# Altium PCB FPGA_NES.PcbDoc (part 1 of 2) (continued)
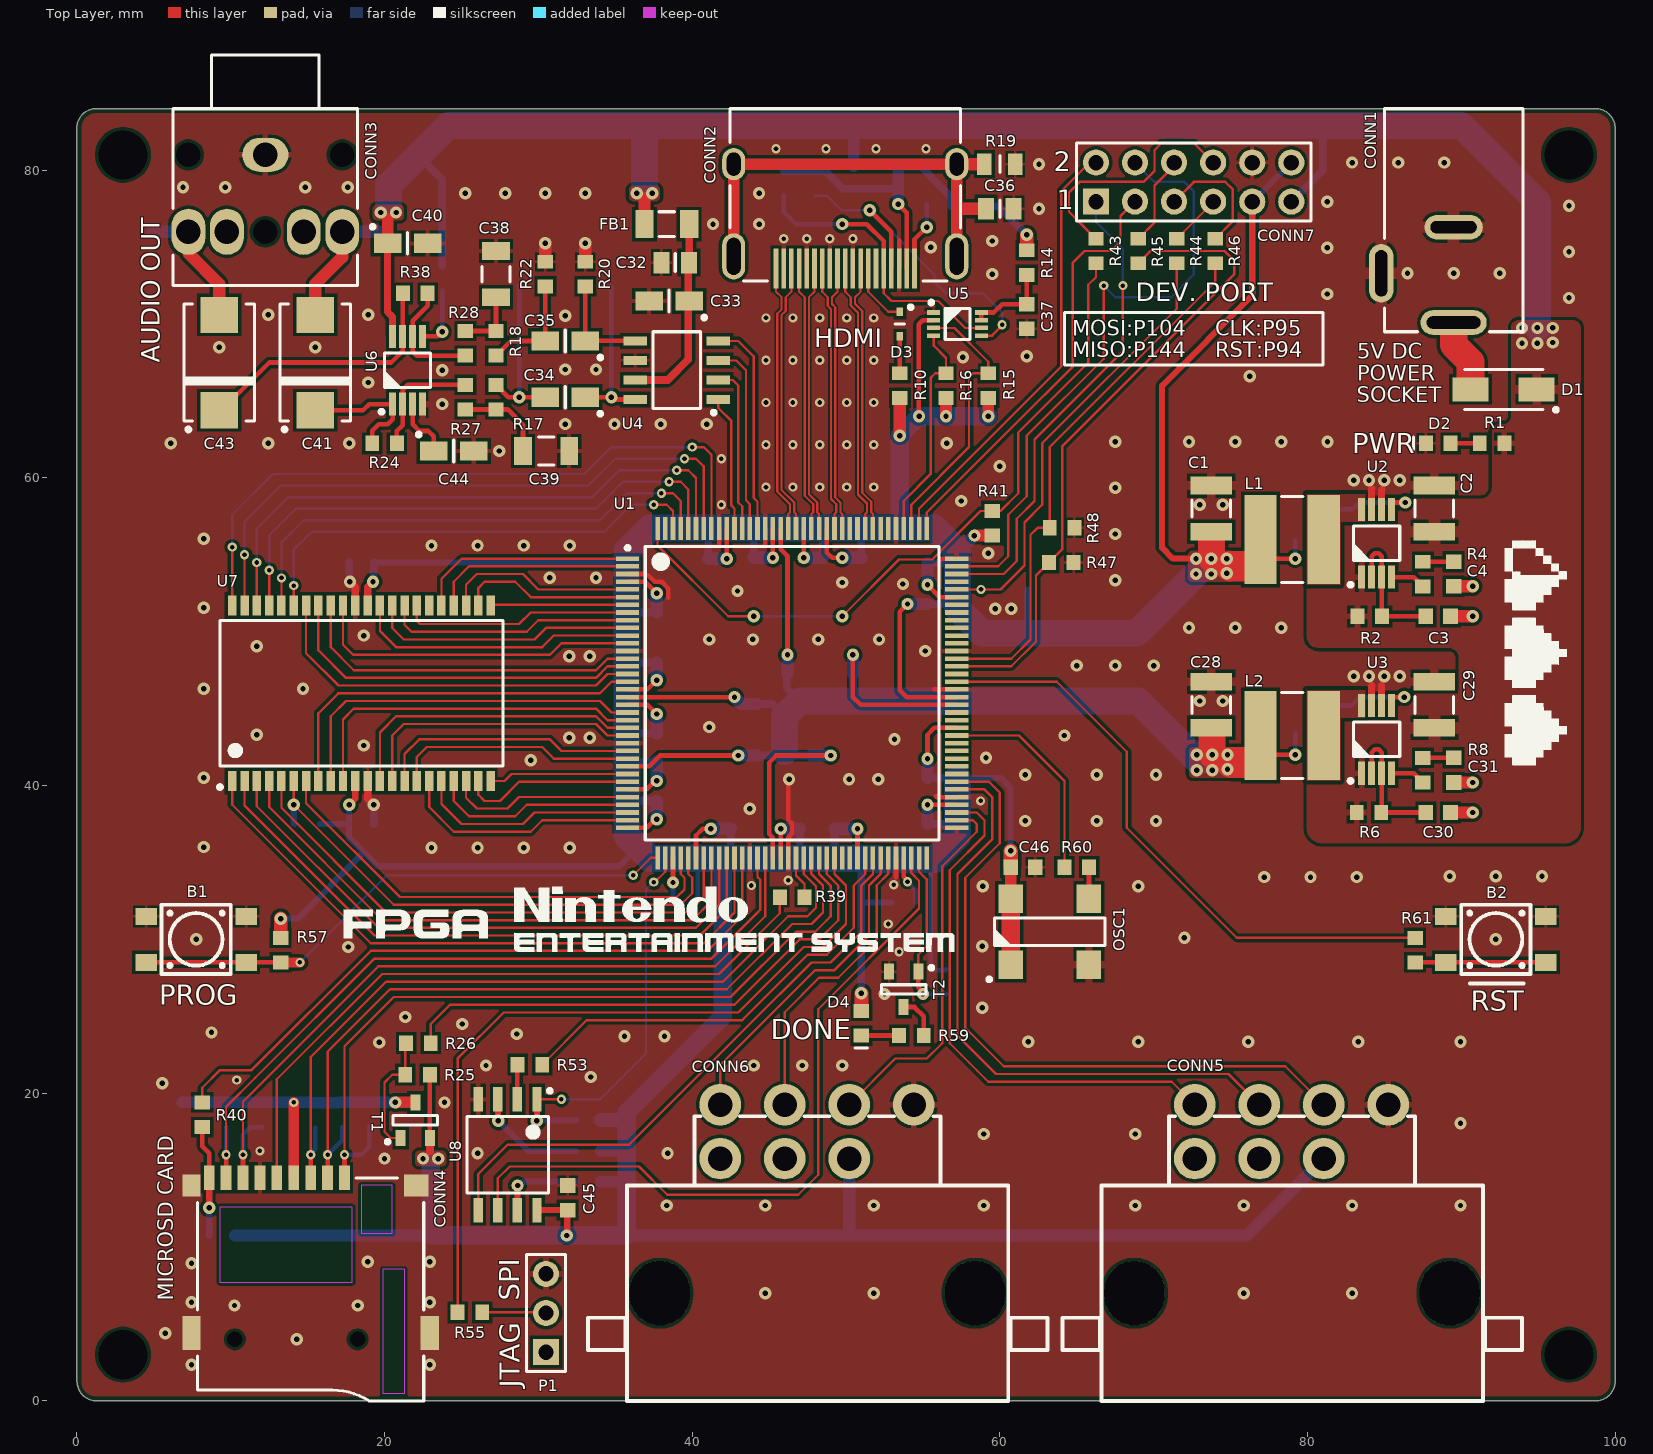
[diagram p0: Top Layer view]
## Components (designator, comment, footprint, x,y, rotation, side; value= is the part's Value field where it differs from the comment) (continued)
R16 "1k" RES_SMD0603 56.5,66 r270 top
R17 "560" RES_SMD0603 27.25,65.25 r270 top
R18 "560" RES_SMD0603 27.25,68.75 r90 top
R19 "1M" RES_SMD0805 60,80.4 r180 top
R20 "270k" RES_SMD0603 33.05,73.25 r90 top
R21 "270k" RES_SMD0603 34.75,73.25 r90 bottom
R22 "10k" RES_SMD0603 30.45,73.25 r90 top
R23 "10k" RES_SMD0603 28.75,73.25 r90 bottom
R24 "20k" RES_SMD0603 20,62.25 r180 top
R25 "10k" RES_SMD0603 22.15,21.2 r180 top
R26 "100" RES_SMD0603 22.2,23.25 r180 top
R27 "20k" RES_SMD0603 25.25,65.25 r90 top
R28 "20k" RES_SMD0603 25.25,68.75 r270 top
R29 "10k" RES_SMD0603 23.75,73 r270 bottom
R30 "10k" RES_SMD0603 17.25,18.6 r270 bottom
R31 "10k" RES_SMD0603 15.5,18.55 r270 bottom
R32 "10k" RES_SMD0603 12.05,18.6 r270 bottom
R33 "10k" RES_SMD0603 19,18.6 r270 bottom
R34 "10k" RES_SMD0603 9.7,18.6 r270 bottom
R35 "10k" RES_SMD0603 9.4,10.75 r180 bottom
R36 "10k" RES_SMD0603 4.9,76.8 r270 bottom
R37 "10k" RES_SMD0603 19.7,75.15 r90 bottom
R38 "20k" RES_SMD0603 22,72 r180 top
R39 "33" RES_SMD0603 46.5,32.75 r180 top
R40 "100" RES_SMD0603 8.15,18.6 r270 top
R41 "10k" RES_SMD0603 59.5,57.05 r90 top
R42 "10k" RES_SMD0603 61,52.75 r180 bottom
R43 "100" RES_SMD0603 66.25,74.75 r90 top
R44 "100" RES_SMD0603 71.5,74.75 r270 top
R45 "100" RES_SMD0603 69,74.75 r90 top
R46 "100" RES_SMD0603 74,74.75 r270 top
R47 "10k" RES_SMD0603 64,54.5 r0 top
R48 "10k" RES_SMD0603 64.05,56.75 r0 top
R49 "10k" RES_SMD0603 14.9,37.5 r0 bottom
R50 "10k" RES_SMD0603 33.25,18.25 r0 bottom
R51 "10k" RES_SMD0603 33.25,14.25 r0 bottom
R52 "10k" RES_SMD0603 33.25,16.25 r0 bottom
R53 "100" RES_SMD0603 29.45,21.85 r180 top
R54 "4.7k" RES_SMD0603 53.75,32.4 r0 bottom
R55 "1k" RES_SMD0603 25.55,5.75 r180 top
R56 "4.7k" RES_SMD0603 39.55,32.5 r180 bottom
R57 "4.7k" RES_SMD0603 13.25,29.3 r90 top
R58 "2.4k" RES_SMD0603 56.5,27.25 r90 bottom
R59 "470" RES_SMD0603 54.25,23.75 r180 top
R60 "33" RES_SMD0603 65,34.7 r180 top
R61 "470" RES_SMD0603 87,29.3 r90 top
T1 "SI2305DS" SOT95P240X110-3N 22,18.241 r90 top
T2 "BSS138" SOT95P240X110-3N 53.75,26.75 r270 top
U1 "XC6SLX9-3TQG144C" QFP50P2200X2200X160-144N 46.5,46 r0 top
U2 "MCP1612-ADJI/MS" SOP65P490X109-8N 84.5,55.75 r90 top
U3 "MCP1612-ADJI/MS" SOP65P490X109-8N 84.5,43 r90 top
U4 "CS4334-KSZ" SOIC127P600X175-8N 39,67 r180 top
U5 "PCA9306DCUR" SOP50P310X90-8N 57.25,70 r0 top
U6 "TS486IST" SOP65P490X109-8N 21.5,67 r90 top
U7 "CY7C1041DV33-10ZSXI" SOP80P1184X119-44N 18.5,46 r90 top
U8 "W25Q64CVSSIG" SOIC127P790X216-8N 28,16 r270 top

## Footprints (in the part's own frame and the unit in brackets; to place one, negate y for a bottom-side part, rotate by r counter-clockwise, add the part's x,y. Pads: shape width x height; smd on the part's side, far side on the other; paste and mask are expansions set on the pad)
685119134923 [mm] "W�rth Elektronik 685119134923 HDMI receptacle footprint"
  rect 0.3x2.6 smd: 1(4.5,10.4) 2(4,10.4) 3(3.5,10.4) 4(3,10.4) 5(2.5,10.4) 6(2,10.4) 7(1.5,10.4) 8(1,10.4) 9(0.5,10.4) 10(0,10.4) 11(-0.5,10.4) 12(-1,10.4) 13(-1.5,10.4) 14(-2,10.4) 15(-2.5,10.4) 16(-3,10.4) 17(-3.5,10.4) 18(-4,10.4) 19(-4.5,10.4)
  oval 1.5x3 hole 0.9 slot 2.4 at 90 deg: S1(7.25,9.6) S2(-7.25,9.6)
  oval 1.5x2.1 hole 0.9 slot 1.5 at 90 deg: S3(7.25,3.6) S4(-7.25,3.6)
  silkscreen extent -7.5,0 7.5,11.2, body extent -7.55,-0.95 7.45,11.2, height 6.18
CAP_SMD0603 [mm] "Chip Capacitor, Body 1.6x0.8mm IPC Medium Density"
  rect 0.95x1 smd: 1(-0.8,0) 2(0.8,0)
  body extent -0.87,-0.47 0.88,0.48, height 0.87
CAP_SMD0805 [mm] "Chip Capacitor, Body 2.0x1.25mm, IPC Medium Density"
  rect 1.05x1.4 smd: 1(-0.9,0) 2(0.9,0)
  silkscreen extent 0,-0.58 0,0.58, body extent -1.05,-0.67 1.05,0.68, height 1.25
CAP_SMD1206 [mm] "Chip Capacitor, Body 3.2x1.6mm, IPC Medium Density"
  rect 1.15x1.8 smd: 1(-1.5,0) 2(1.5,0)
  silkscreen extent -0.5,-0.9 0.5,0.9, body extent -1.7,-0.9 1.7,0.9, height 1.4
CAP_SMD1210 [mm] "Chip Capacitor, Body 3.2x2.5mm, IPC Medium Density"
  rect 1.15x2.7 smd: 1(-1.5,0) 2(1.5,0)
  silkscreen extent -0.55,-1.25 0.55,1.25, body extent -1.7,-1.35 1.7,1.35, height 2.7
CAPMP3216X180N [mm] "Capacitor, Polarized, Molded  Body 3.2x1.6mm, IPC Medium Density"
  rect 1.8x1.25 smd: 1(-1.3,0) 2(1.3,0)
  silkscreen extent -2.4,-0.7 0,1.2, body extent -1.7,-0.9 1.7,0.9, height 1.6
CAPMP7343X310N [mm] "Capacitor, Polarized, Molded  Body 7.3x4.3mm, IPC Medium Density"
  rect 2.35x2.45 smd: 1(-3.1,0) 2(3.1,0)
  silkscreen extent -4.47,-2.3 3.8,2.3, body extent -3.8,-2.3 3.8,2.3, height 3.1
DC_PWR_CONN [mm]
  oval 4.3x1.6 hole 0.8 slot 3.5 at 0 deg: 1(0,13.9)
  oval 3.8x1.6 hole 0.8 slot 3 at 0 deg: 2(0,7.7)
  oval 1.6x3.8 hole 0.8 slot 3 at 90 deg: 3(4.7,10.7)
  silkscreen extent -4.5,0 4.5,14.5, body extent -4.5,0 5.2,14.2, height 11
DIOM5226X230N [mm] "DO-214-AC/SMA Diode, Molded Body; 5.195mm L X 2.605mm W X 2.30mm H, IPC Medium Density"
  rect 2.35x1.55 smd: 1(-2.15,0) 2(2.15,0)
  silkscreen extent -3.53,-1.3 2.55,1.45, body extent -2.75,-1.4 2.45,1.2, height 2.3
HDR1X3 [mm] "Connector; Header; 3 Position"
  rect 1.7x1.7 hole 1: 1(0,0)
  round 1.7 hole 1: 2(2.54,0) 3(5.08,0)
  silkscreen extent -1.27,-1.27 6.35,1.27
HDR2X6 [mm] "Connector; Header; 6x2 Position"
  rect 1.7x1.7 hole 1: 1(0,0)
  round 1.7 hole 1: 2(0,2.54) 3(2.54,0) 4(2.54,2.54) 5(5.08,0) 6(5.08,2.54) 7(7.62,0) 8(7.62,2.54) 9(10.16,0) 10(10.16,2.54) 11(12.7,0) 12(12.7,2.54)
  silkscreen extent -1.27,-1.27 13.97,3.81
IND_SMD1206 [mm] "Chip Inductor, EIA 1206, Metric 3216, 3.20mm L X 1.60mm W, IPC Medium Density"
  rect 1.2x1.8 smd: 1(-1.45,0) 2(1.45,0)
  silkscreen extent -0.5,-0.8 0.5,0.8, body extent -1.7,-0.9 1.7,0.9, height 1.3
LED_G_SMD0603 [mm] "Chip Resistor, EIA 0603, Metric 1608, Body 1.6x0.8mm, IPC Medium Density"
  rect 0.9x1 smd: 1(-0.8,0) 2(0.8,0)
  silkscreen extent 1.6,-0.4 1.6,0.4, body extent -0.85,-0.45 0.85,0.45, height 0.9
"NES controller port" [mm]
  round 2.7 hole 1.6: 1(6.25,5) 2(2.057,5) 3(-2.134,5) 4(-6.325,5) 5(2.057,1.5) 6(-2.134,1.5) 7(-6.325,1.5)
  rrect100% 3.9x4.2 hole 4.2 slot 3.9 at 0 deg: 8(10.25,-7.25) 9(-10.25,-7.25)
  silkscreen extent -14.91,-14.25 14.96,4.25
OSCSC508P500X700X200-4N [mm] "CFPT Case, SMD Oscillator, side convave, 4 pins, 5.00x7.00mm"
  rect 1.85x1.6 smd: 1(-2.15,2.54) 2(-2.15,-2.54) 3(2.15,-2.54) 4(2.15,2.54)
  silkscreen extent -3.22,-3.6 0.9,4.06, body extent -2.6,-3.6 2.6,3.6, height 2
QFP50P2200X2200X160-144N [mm] "QFP, 144-Leads, Body 20x20mm (BSC), Pitch 0.50mm, IPC Medium Density"
  rect 1.5x0.3 smd: 1(-10.7,8.75) 2(-10.7,8.25) 3(-10.7,7.75) 4(-10.7,7.25) 5(-10.7,6.75) 6(-10.7,6.25) 7(-10.7,5.75) 8(-10.7,5.25) 9(-10.7,4.75) 10(-10.7,4.25) 11(-10.7,3.75) 12(-10.7,3.25) 13(-10.7,2.75) 14(-10.7,2.25) 15(-10.7,1.75) 16(-10.7,1.25) 17(-10.7,0.75) 18(-10.7,0.25) 19(-10.7,-0.25) 20(-10.7,-0.75) 21(-10.7,-1.25) 22(-10.7,-1.75) 23(-10.7,-2.25) 24(-10.7,-2.75) 25(-10.7,-3.25) 26(-10.7,-3.75) 27(-10.7,-4.25) 28(-10.7,-4.75) 29(-10.7,-5.25) 30(-10.7,-5.75) 31(-10.7,-6.25) 32(-10.7,-6.75) 33(-10.7,-7.25) 34(-10.7,-7.75) 35(-10.7,-8.25) 36(-10.7,-8.75) 73(10.7,-8.75) 74(10.7,-8.25) 75(10.7,-7.75) 76(10.7,-7.25) 77(10.7,-6.75) 78(10.7,-6.25) 79(10.7,-5.75) 80(10.7,-5.25) 81(10.7,-4.75) 82(10.7,-4.25) 83(10.7,-3.75) 84(10.7,-3.25) 85(10.7,-2.75) 86(10.7,-2.25) 87(10.7,-1.75) 88(10.7,-1.25) 89(10.7,-0.75) 90(10.7,-0.25) 91(10.7,0.25) 92(10.7,0.75) 93(10.7,1.25) 94(10.7,1.75) 95(10.7,2.25) 96(10.7,2.75) 97(10.7,3.25) 98(10.7,3.75) 99(10.7,4.25) 100(10.7,4.75) 101(10.7,5.25) 102(10.7,5.75) 103(10.7,6.25) 104(10.7,6.75) 105(10.7,7.25) 106(10.7,7.75) 107(10.7,8.25) 108(10.7,8.75)
  rect 0.3x1.5 smd: 37(-8.75,-10.7) 38(-8.25,-10.7) 39(-7.75,-10.7) 40(-7.25,-10.7) 41(-6.75,-10.7) 42(-6.25,-10.7) 43(-5.75,-10.7) 44(-5.25,-10.7) 45(-4.75,-10.7) 46(-4.25,-10.7) 47(-3.75,-10.7) 48(-3.25,-10.7) 49(-2.75,-10.7) 50(-2.25,-10.7) 51(-1.75,-10.7) 52(-1.25,-10.7) 53(-0.75,-10.7) 54(-0.25,-10.7) 55(0.25,-10.7) 56(0.75,-10.7) 57(1.25,-10.7) 58(1.75,-10.7) 59(2.25,-10.7) 60(2.75,-10.7) 61(3.25,-10.7) 62(3.75,-10.7) 63(4.25,-10.7) 64(4.75,-10.7) 65(5.25,-10.7) 66(5.75,-10.7) 67(6.25,-10.7) 68(6.75,-10.7) 69(7.25,-10.7) 70(7.75,-10.7) 71(8.25,-10.7) 72(8.75,-10.7) 109(8.75,10.7) 110(8.25,10.7) 111(7.75,10.7) 112(7.25,10.7) 113(6.75,10.7) 114(6.25,10.7) 115(5.75,10.7) 116(5.25,10.7) 117(4.75,10.7) 118(4.25,10.7) 119(3.75,10.7) 120(3.25,10.7) 121(2.75,10.7) 122(2.25,10.7) 123(1.75,10.7) 124(1.25,10.7) 125(0.75,10.7) 126(0.25,10.7) 127(-0.25,10.7) 128(-0.75,10.7) 129(-1.25,10.7) 130(-1.75,10.7) 131(-2.25,10.7) 132(-2.75,10.7) 133(-3.25,10.7) 134(-3.75,10.7) 135(-4.25,10.7) 136(-4.75,10.7) 137(-5.25,10.7) 138(-5.75,10.7) 139(-6.25,10.7) 140(-6.75,10.7) 141(-7.25,10.7) 142(-7.75,10.7) 143(-8.25,10.7) 144(-8.75,10.7)
  silkscreen extent -10.82,-9.55 9.55,9.57, body extent -11,-11 11,11, height 1.6
RES_SMD0603 [mm] "Chip Resistor, EIA 0603, Metric 1608, Body 1.6x0.8mm, IPC Medium Density"
  rect 0.9x1 smd: 1(-0.8,0) 2(0.8,0)
  body extent -0.87,-0.47 0.88,0.48, height 0.55
RES_SMD0805 [mm] "Chip Resistor, EIA 0805, Metric 2012, Body 2.0x1.2mm, IPC Medium Density"
  rect 0.95x1.4 smd: 1(-1,0) 2(1,0)
  silkscreen extent 0,-0.55 0,0.55, body extent -1.1,-0.67 1.1,0.68, height 0.6
RES_SMD1206 [mm] "Chip Resistor, EIA 1206, Metric 3216, Body 3.2x1.6mm, IPC Medium Density"
  rect 1.15x1.8 smd: 1(-1.45,0) 2(1.45,0)
  silkscreen extent -0.5,-0.9 0.5,0.9, body extent -1.67,-0.87 1.68,0.88, height 0.65
SDR0604 [mm]
  rect 2.1x5.8 smd: 1(-2.05,0) 2(2.05,0)
  silkscreen extent -0.7,-2.8 0.7,2.8, body extent -2.9,-2.9 2.9,2.9, height 4.8
SJ1-3553NG [mm] "CUI SJ1-3553NG 3.5mm jack receptacle footprint"
  oval 3x2.2 hole 1.6: 1(0,0)
  oval 2.2x3 hole 1.6: 2(-5,-5) 3(5,-5) 4(-2.5,-5) 5(2.5,-5)
  round 0 hole 1.6 unplated: 6(-5,0) 7(5,0) 8(0,-5)
  silkscreen extent -6,-8.5 6,6.5, body extent -6,-8.5 6,6.5, height 10.05
SMD_Button [mm]
  rect 1.4x1.1 smd: 1(-3.25,1.5) 2(3.25,1.5) 3(-3.25,-1.5) 4(3.25,-1.5)
  silkscreen extent -2.25,-2.25 2.25,2.25
SODFL1608X70N [mm] "SODFL (SOD-523) Diode; 1.20mm W X 0.80mm L X 0.70mm H Body, IPC Medium Density"
  rect 0.55x0.42 smd: 1(-0.8,0) 2(0.8,0)
  silkscreen extent -1.22,-0.3 0,0.84, body extent -0.8,-0.4 0.8,0.4, height 0.7
SOIC127P600X175-8N [mm] "SOIC 8, Pitch 1.27mm - Body 4x5mm, IPC Medium Density"
  rect 1.55x0.6 smd: 1(-2.7,1.905) 2(-2.7,0.635) 3(-2.7,-0.635) 4(-2.7,-1.905) 5(2.7,-1.905) 6(2.7,-0.635) 7(2.7,0.635) 8(2.7,1.905)
  silkscreen extent -2.53,-2.5 1.55,2.88, body extent -3.1,-2.5 3.1,2.5, height 1.75
SOIC127P790X216-8N [mm] "SOIC, 1.27mm, Pitch; 8 Pin, 5.285mm W X 5.335mm L X 2.16mm H body, IPC Medium Density"
  rect 1.6x0.6 smd: 1(-3.6,1.905) 2(-3.6,0.635) 3(-3.6,-0.635) 4(-3.6,-1.905) 5(3.6,-1.905) 6(3.6,-0.635) 7(3.6,0.635) 8(3.6,1.905)
  silkscreen extent -4.27,-2.65 2.47,2.88, body extent -3.86,-2.54 3.86,2.54, height 2
SOP50P310X90-8N [mm] "SOP, 0.50mm pitch; 8 pin, 2.30mm W X 2.00mm L X 0.90mm H body, PC Medium Density"
  rect 0.85x0.3 smd: 1(-1.55,0.75) 2(-1.55,0.25) 3(-1.55,-0.25) 4(-1.55,-0.75) 5(1.55,-0.75) 6(1.55,-0.25) 7(1.55,0.25) 8(1.55,0.75)
  silkscreen extent -1.82,-1 0.8,1.52, body extent -1.62,-1 1.62,1, height 0.9
SOP65P490X109-8N [mm] "SOP, 0.65mm pitch; 8 pin,3.00mm W X 3.00mm L X 1.09mm H bodyI, PC Medium Density"
  rect 1.5x0.45 smd: 1(-2.2,0.975) 2(-2.2,0.325) 3(-2.2,-0.325) 4(-2.2,-0.975) 5(2.2,-0.975) 6(2.2,-0.325) 7(2.2,0.325) 8(2.2,0.975)
  silkscreen extent -2.82,-1.5 1.12,1.82, body extent -2.45,-1.55 2.45,1.55, height 1.09
SOP80P1184X119-44N [mm] "SOP, 0.80mm, Pitch; 44 pin, 10.16mm W X 18.415mm L X 1.194mm H body, IPC Medium Density"
  rect 1.3x0.55 smd: 1(-5.7,8.4) 2(-5.7,7.6) 3(-5.7,6.8) 4(-5.7,6) 5(-5.7,5.2) 6(-5.7,4.4) 7(-5.7,3.6) 8(-5.7,2.8) 9(-5.7,2) 10(-5.7,1.2) 11(-5.7,0.4) 12(-5.7,-0.4) 13(-5.7,-1.2) 14(-5.7,-2) 15(-5.7,-2.8) 16(-5.7,-3.6) 17(-5.7,-4.4) 18(-5.7,-5.2) 19(-5.7,-6) 20(-5.7,-6.8) 21(-5.7,-7.6) 22(-5.7,-8.4) 23(5.7,-8.4) 24(5.7,-7.6) 25(5.7,-6.8) 26(5.7,-6) 27(5.7,-5.2) 28(5.7,-4.4) 29(5.7,-3.6) 30(5.7,-2.8) 31(5.7,-2) 32(5.7,-1.2) 33(5.7,-0.4) 34(5.7,0.4) 35(5.7,1.2) 36(5.7,2) 37(5.7,2.8) 38(5.7,3.6) 39(5.7,4.4) 40(5.7,5.2) 41(5.7,6) 42(5.7,6.8) 43(5.7,7.6) 44(5.7,8.4)
  silkscreen extent -6.22,-9.2 4.72,9.32, body extent -5.98,-9.25 5.98,9.25, height 1.2
SOT95P240X110-3N [mm] "SOT23 3-Leads, Pitch 0.95mm - Body 1.3x2.9mm, IPC Medium Density"
  rect 1.05x0.65 smd: 1(-1.15,0.95) 2(-1.15,-0.95) 3(1.15,0)
  silkscreen extent -1.52,-1.45 0.3,1.92, body extent -1.25,-1.5 1.25,1.5, height 1.1
TFP09-2-12B [mm] "MicroSD card socket"
  rect 0.7x1.6 smd: 1(2.2,14.5) 2(1.1,14.5) 3(0,14.5) 4(-1.1,14.5) 5(-2.2,14.5) 6(-3.3,14.5) 7(-4.4,14.5) 8(-5.5,14.5) 9(-6.6,14.5)
  rect 0x0 hole 1 unplated: MH1(3.05,4) MH2(-4.93,4)
  rect 1.6x1.4 smd: S1(6.85,14)
  rect 1.2x1.4 smd: S2(-7.75,14)
  rect 1.2x2.2 smd: S3(7.75,4.4) S4(-7.75,4.4)
  Top Layer keep-out region: -5.9,7.7 2.7,7.7 2.7,12.6 -5.9,12.6
  Top Layer keep-out region: 3.3,10.9 5.3,10.9 5.3,14 3.3,14
  Top Layer keep-out region: 4.7,0.5 6.1,0.5 6.1,8.55 4.7,8.55
  silkscreen extent -7.35,0 7.35,14.5, body extent -8.2,0 8.2,15, height 1.86

## Part data
B1 B2: library part TS-1109S-C-A, "Basic SMD button", Manufacturer="XKB Connectivity", Datasheet=https://datasheet.lcsc.com/lcsc/2110151730_XKB-Connectivity-TS-1109S-C-A_C397346.pdf, Manufacturer Part Number=TS-1109S-C-A
C1 C2 C28 C29: library part CAP_1210, "Capacitor SMD 1210"
C3 C4 C5 C6 C7 C8 C9 C10 C11 C12 C13 C14 C15 C16 C17 C18 C19 C20 C21 C22 C23 C24 C25 C26 C27 C30 C31 C37 C42 C45 C46: library part CAP_0603, "Capacitor SMD 0603"
C32: library part CAP_0805, "Capacitor SMD 0805"
C33 C34 C35 C40 C44: library part CAP_ALEL_A, "Capacitor SMD Tantal A 16V"
C36: library part CAP_0603, "Capacitor SMD 0805", Voltage=1kV
C38 C39: library part CAP_1206, "Capacitor SMD 1206 NP0 Dielektrikum"
C41 C43: library part CAP_ALEL_D, "Capacitor SMD Tantal D 20V"
CONN1: "12V /  5A, 2.1mm Diameter Pin, DC Power Socket With  Switch. DC10A Type"
CONN2: "Würth Elektronik 685119134923 HDMI type A receptacle"
CONN3: "CUI SJ1-3553NG 3.5mm jack receptacle", ComponentLink1Description="Manufacturer Link", ComponentLink1URL=http://domino.kycon.com/internet/Products.html, DatasheetDocument=07-Mar-2000, LatestRevisionDate=17-Dec-2003, LatestRevisionNote="PCB Footprint replaced.", Published=5-Jan-2004, Publisher="Altium Limited"
CONN4: "MicroSD card socket"
CONN7: "Header, 6-Pin, Dual row", LatestRevisionDate=17-Jul-2002, LatestRevisionNote="Re-released for DXP Platform.", Publisher="Altium Limited"
D1: "Schottky Barrier Diode SSL14A"
D2 D4: library part LED_0603_GREEN, "LED 0603 GREEN SMD"
D3: "Schottky Barrier Diode"
F1: library part FUSE_1206, "Fuse SMD 1206"
FB1: library part FB_1206, "Ferrite Bead SMD 1206"
L1 L2: library part SDR0604, "Inductor SDR0604"
P1: library part "Header 3", "Header, 3-Pin", LatestRevisionDate=17-Jul-2002, LatestRevisionNote="Re-released for DXP Platform.", Publisher="Altium Limited"
R1 R2 R3 R4 R5 R6 R7 R8 R9 R10 R11 R12 R13 R14 R15 R16 R17 R18 R20 R21 R22 R23 R24 R25 R26 R27 R28 R29 R30 R31 R32 R33 R34 R35 R36 R37 R38 R39 R40 R41 R42 R43 R44 R45 R46 R47 R48 R49 R50 R51 R52 R53 R54 R55 R56 R57 R58 R59 R60 R61: library part RES_0603, "Resistor SMD 0603"
R19: library part RES_0603, "Resistor SMD 0805"
T1: library part P-MOSFET, "P-CHANNEL MOSFET WITH DIODE SI2305DS", Case=SOT23-3, Manufacturer="NXP SEMICONDUCTORS", Manufacturer Part Number=BSH203, Author="CERN DEM JLC", Bonding=No, Component Type=Standard, ComponentHeight=1.1mm, CreateDate="2010. 05. 10.", Device=BSH203, HelpURL=\\cern.ch\dfs\Applications\Altium\Datasheets\BSH203.pdf, LatestRevisionDate="2010. 05. 10.", Mounted=Yes, PackageDescription="SOT23, 0.95mm Pitch; 3 Pin, 1.30mm W X 2.90mm L X 1.10mm H body, IPC Medium Density", Part Description="-30V -470mA P-Channel Enhancement Mode MOS Transistor", Part Number=BSH203, Pin Count=3, PressFit=No, Sense=No, SMD=Yes, Socket=No
T2: "N-Channel Enhancement Mode Field-Effect Transistor", Manufacturer="NXP Semiconductors", PartNumber=SI2302DS,215, Channel Type=N, Ciss [typ] (pF)=230, Code_JEDEC=TO-236AB, ComponentLink1Description="Manufacturer URL", ComponentLink1URL=http://www.nxp.com/, ComponentLink2Description=Datasheet, ComponentLink2URL=http://www.nxp.com/documents/data_sheet/SI2302DS.pdf, ComponentLink3Description="Package Specification", ComponentLink3URL=http://www.nxp.com/documents/outline_drawing/sot023_po.pdf, Coss [typ] (pF)=125, DatasheetVersion="Rev. 02", ID [max] (A)=2.5, Mounting Technology="Surface Mount", PackageDescription="3-Pin Small Outline Transistor Package, Body 2.9 x 1.3 mm, Pitch 0.95 mm", PackageReference=SOT23, PackageVersion="06-03-16, 03/2006", Packing="Tape & Reel", VDS [max] (V)=20
U1: "Spartan-6 LX 1.2V FPGA, 102 User I/Os, 144-Pin TQFP (0.5mm Pitch), Speed Grade 3, Industrial Grade, Pb-Free"
U2 U3: "Single 1A Synchronous Buck Regulator, 1.4MHz, 8-Pin MSOP, Industrial Temperature", Mfr_Name=Microchip, Copyright="Copyright (C) 2023 Ultra Librarian. All rights reserved.", Manufacturer_Part_Number=MCP1612-ADJI/MS, RefDes=RefDes, Type=DEV
U4: "DAC 2-CH Delta-Sigma 24-bit 8-Pin SOIC", Mfr_Name="Cirrus Logic", Copyright="Copyright (C) 2023 Ultra Librarian. All rights reserved.", Manufacturer_Part_Number=CS4334-KSZ, RefDes=RefDes, Type=DEV
U5: "2-bit bidirectional 400-kHz I2C/SMBus voltage level translator 8-VSSOP -40 to 85", Mfr_Name="Texas Instruments", Copyright="Copyright (C) 2023 Ultra Librarian. All rights reserved.", Manufacturer_Part_Number=PCA9306DCUR, RefDes=RefDes, Type=DEV
U6: "100mW STEREO HEADPHONE AMPLIFIER WITH STANDBY / MODE"
U7: "SRAM Chip Asynchronous Single 3.3V 4M-Bit 256K x 16 10ns 44-Pin TSOP-II Tray", Mfr_Name="Cypress Semiconductor", Copyright="Copyright (C) 2023 Ultra Librarian. All rights reserved.", Manufacturer_Part_Number=CY7C1041DV33-10ZSXI, RefDes=RefDes, Type=DEV
U8: "SERIAL FLASH MEMORY WITH   DUAL AND QUAD SPI", Mfr_Name=Winbond, Copyright="Copyright (C) 2023 Ultra Librarian. All rights reserved.", Manufacturer_Part_Number=W25Q64CVSSIG, RefDes=RefDes, Type=DEV

## Free pads (board coordinates)
  round 0 hole 3.2 unplated mask+0: g(97,3) ""(3,3) ""(3,81) ""(97,81)

## Via types
v1: diameter 0.8, hole 0.35, Top Layer to Bottom Layer, tented both sides, 277 vias
v2: diameter 0.6, hole 0.3, Top Layer to Bottom Layer, tented both sides, 70 vias

## Nets (pads, with @x,y where several pads share a name; then routed paths per layer and width w, separated by ;. In a path a pad name is that pad's centre, name@x,y a point inside that pad or via, vN(x,y) a via of type N, cw(c..) or ccw(c..) an arc to the next point about the centre after c; other vN are vias at no path point)
CONT1_CLK: CONN5.2 U1.79 | length 44.7
  Top Layer w0.15: U1.79@57.2,40.25 59.3,40.25 60,39.55 60,36.25 57.75,34 57.75,24.25 60.25,21.75 78.557,21.75 CONN5.2@81.057,19.25
CONT1_DATA: CONN5.4 U1.75 | length 35
  Top Layer w0.15: U1.75@57.2,38.25 58.5,38.25 59,37.75 59,36.75 56.75,34.5 56.75,23.25 59.25,20.75 71.175,20.75 CONN5.4@72.675,19.25
CONT1_LATCH: CONN5.3 U1.78 | length 40.4
  Top Layer w0.15: U1.78@57.2,39.75 59,39.75 59.5,39.25 59.5,36.5 57.25,34.25 57.25,23.75 59.75,21.25 74.866,21.25 CONN5.3@76.866,19.25
CONT2_CLK: CONN6.2 U1.74 | length 24.3
  Top Layer w0.15: CONN6.2@50.207,19.25 53.207,22.25 55.25,22.25 56.25,23.25 56.25,34.75 58.5,37 58.5,37.5 58.25,37.75 U1.74@57.2,37.75
CONT2_DATA: CONN6.4 U1.66 | length 21.1
  Top Layer w0.15: CONN6.4@41.825,19.25 41.825,21.825 43.75,23.75 48,28 49.25,28 51.5,30.25 51.5,33.5 52.25,34.25 U1.66@52.25,35.3
CONT2_LATCH: CONN6.3 U1.67 | length 19.6
  Top Layer w0.15: CONN6.3@46.016,19.25 46.016,25.266 48.25,27.5 49.5,27.5 52,30 52,33.513 52.737,34.25 ; 52.75,34.25 U1.67@52.75,35.3
DEMn_SCLK: U1.133 U4.2 | length 10.9
  Top Layer w0.15: U4.2@41.7,66.365 42.635,66.365 43,66 43,58.4 43.25,58.15 U1.133@43.25,56.7
DEV_CLK: R46.2 R48.1 U1.95 | length 34.9
  Top Layer w0.15: U1.95@57.2,48.25 60.75,48.25 62,49.5 62,56.3 62.45,56.75 R48.1@63.25,56.75 ; R48.1@63.25,57.05 63.25,62 74,72.75 R46.2@74,73.95
DEV_MISO: R41.2 R43.1 U1.144 | length 46.8
  Top Layer w0.15: U1.144@37.75,56.7 37.75,55.6 42.35,51 v1(44,51) ; v1(49.75,51) 53.45,54.7 55.6,54.7 58.75,57.85 R41.2@59.5,57.85 60.05,57.85 61.2,59 61.2,62.95 65.75,67.5 65.75,72.55 66.25,73.05 R43.1@66.25,73.95
  Bottom Layer w0.15: v1(44,51) v1(49.75,51)
DEV_MOSI: R42.2 R44.2 U1.104 | length 30.2
  Top Layer w0.15: U1.104@57.2,52.75 v2(58.779,52.75) 60.05,52.75 61.6,54.3 61.6,57.1 62.75,58.25 62.75,62.25 71.5,71 R44.2@71.5,73.95
  Bottom Layer w0.15: v2(58.779,52.75) R42.2@60.2,52.75
DEV_RST: R45.1 R47.1 U1.94 | length 42.8
  Top Layer w0.15: U1.94@57.2,47.75 60.75,47.75 62.35,49.35 62.35,53.65 R47.1@63.2,54.5 64.05,55.35 64.05,62.05 75.25,73.25 75.25,74.1 74.6,74.75 69.8,74.75 R45.1@69,73.95
DEV_TCK: CONN7.3 U1.109 | length 27.9
  Top Layer w0.15: U1.109@55.25,56.7 55.25,57.75 61,63.5 64.75,67.25 64.75,74 65.5,74.75 67.25,74.75 67.85,75.35 67.85,77.02 CONN7.3@68.79,77.96
DEV_TDI: CONN7.2 U1.110 | length 28.8
  Top Layer w0.15: U1.110@54.75,56.7 54.75,58 64,67.25 64,78.65 65.85,80.5 CONN7.2@66.25,80.5
DEV_TDO: CONN7.1 U1.106 | length 31.2
  Top Layer w0.15: U1.106@57.2,53.75 60.25,53.75 61.1,54.6 61.1,57.35 62.25,58.5 62.25,62.5 68,68.25 v2(68,72.5)
  Bottom Layer w0.15: CONN7.1@66.25,77.96 66.25,76.65 68,74.9 v2(68,72.5)
DEV_TMS: CONN7.4 U1.107 | length 40.6
  Top Layer w0.15: U1.107@57.2,54.25 59.9,54.25 60.55,54.9 60.55,57.6 61.75,58.8 61.75,62.75 66.75,67.75 v2(66.75,72.5)
  Bottom Layer w0.15: v2(66.75,72.5) 67.5,71.75 71.15,71.75 72.6,73.2 72.6,78.65 72.005,79.245 70.045,79.245 CONN7.4@68.79,80.5
FLASH_CSn: R50.1 U1.38 U8.1 | length 25.6
  Top Layer w0.15: U8.1@29.905,19.6 v2(31.5,19.6) ; v2(37.501,33.721) 37.571,33.721 38.25,34.4 U1.38@38.25,35.3
  Top Layer w0.4: v1(29.9,18.2) 29.903,18.202 29.903,19.598 U8.1@29.905,19.6
  Bottom Layer w0.15: v2(31.5,19.6) 34,19.6 37,22.6 37,33.22 v2(37.501,33.721)
  Bottom Layer w0.4: v1(29.9,18.2) 29.925,18.225 32.425,18.225 R50.1@32.45,18.25
FLASH_SPI_CLK: U1.70 U8.6 | length 48
  Top Layer w0.15: U8.6@27.365,12.4 27.365,14.465 28.136,15.236 36.55,15.236 38.386,13.4 46.9,13.4 48.2,14.7 48.2,25.45 54.75,32 54.75,33.813 54.25,34.313 54.25,34.4 U1.70@54.25,35.3
FLASH_SPI_MISO: R53.1 U1.64 | length 28.8
  Top Layer w0.15: R53.1@30.25,21.85 33.15,24.75 43.25,24.75 47.5,29 48.75,29 50.5,30.75 50.5,33.5 51.25,34.25 U1.64@51.25,35.3
FLASH_SPI_MOSI: U1.65 U8.5 | length 38.9
  Top Layer w0.15: U8.5@26.095,12.4 26.095,14.745 28,16.65 35.9,16.65 43.5,24.25 47.75,28.5 49,28.5 51,30.5 51,33.5 51.75,34.25 U1.65@51.75,35.3
FPGA_DONE: R58.1 T2.1 U1.71 | length 10.9
  Top Layer w0.15: T2.1@54.7,27.9 54.7,29 55.25,29.55 55.25,33.9 54.75,34.4 U1.71@54.75,35.3
  Top Layer w0.3: T2.1@54.7,27.9 54.7,26.876 55,26.576 v1(55,26.45)
  Bottom Layer w0.3: v1(55,26.45) R58.1@56.5,26.45
FPGA_PROG: B1.1 B1.2 R57.1 U1.37 | length 36.1
  Top Layer w0.15: v2(36.169,34.169) 37.3,35.3 U1.37@37.75,35.3
  Top Layer w0.3: B1.2@4.5,28.5 B1.1@11,28.5 R57.1@13.25,28.5
  Top Layer w0.65: R57.1@13.25,28.5 v2(14.5,28.5)
  Bottom Layer w0.15: v2(14.5,28.5) 20.169,34.169 v2(36.169,34.169)
GND: B1.3 B1.4 B2.3 B2.4 C1.1 C2.1 C3.1 C4.1 C5.1 C6.1 C7.1 C8.1 C9.1 C10.1 C11.1 C12.1 C13.1 C14.1 C15.1 C16.1 C17.1 C18.1 C19.1 C20.1 C21.1 C22.1 C23.1 C24.1 C25.1 C26.1 C27.1 C28.1 C29.1 C30.1 C31.1 C32.1 C33.2 C36.1 C37.1 C38.1 C39.1 C40.2 C42.2 C44.2 C45.1 C46.1 CONN1.2 CONN1.3 CONN2.2 CONN2.5 CONN2.8 CONN2.11 CONN2.17 CONN3.1 CONN4.6 CONN4.S1 CONN4.S2 CONN4.S3 CONN4.S4 CONN5.1 CONN6.1 CONN7.10 D2.2 OSC1.2 P1.3 R5.1 R9.1 R19.1 R20.2 R21.2 R22.2 R23.2 R36.1 R37.1 R47.2 R48.2 T2.2 U1.3 U1.13 U1.25 U1.49 U1.54 U1.68 U1.73 U1.77 U1.91 U1.96 U1.108 U1.113 U1.130 U1.136 U2.6 U2.7 U3.6 U3.7 U4.6 U5.1 U6.4 U7.12 U7.34 U8.4 | length 37.1
  Top Layer w0.15: 53.133,55.559 53.134,55.559
  Top Layer w0.3: U1.3@35.8,53.75 36.9,53.75 36.973,53.677 37.127,53.677 37.554,53.25 38.011,53.25 38.45,52.811 38.45,52.2 ; 41.75,55.65 U1.136@41.75,56.7 ; 44.75,55.65 U1.130@44.75,56.7 ; U1.54@46.25,35.3 46.25,36.639 46.5,36.889 46.5,37.511 46.25,37.761 46.25,40.35 v1(46.3,40.4) v1@46.25,40.45 ; 53.25,34.05 U1.68@53.25,35.3 ; CONN2.17@53.45,73.6 53.45,75.45 ; 55.75,46.25 U1.91@57.2,46.25 ; 55.85,39.3 55.9,39.25 U1.77@57.2,39.25 ; 56.2,54.7 56.25,54.75 U1.108@57.2,54.75
  Top Layer w0.45: U3.7@84.175,45.2 84.175,46.475 84.2,46.5 ; U2.7@84.175,57.95 84.175,59.275 84.2,59.3 ; 84.8,46.5 84.825,46.475 U3.6@84.825,45.2 ; U2.6@84.825,57.95 84.825,59.225 84.85,59.25
  Top Layer w0.5: v1(17.75,53.25) 18.1,52.9 U7.34@18.1,51.7 ; U7.12@18.9,40.3 18.9,39.15 v1(19.3,38.75)
  Top Layer w0.8: R22.2@30.45,74.05 v1(30.45,75.25) ; R20.2@33.05,74.05 v1(33.05,75.25) ; C30.1@89.3,38.25 v1(90.75,38.25) ; C3.1@89.3,51 v1(90.75,51) ; C31.1@89.5,40.2 v1(90.75,40.2) ; C4.1@89.5,52.95 v1(90.75,52.95)
  Bottom Layer w0.5: C16.1@17.7,54.5 17.7,53.3 v1(17.75,53.25) ; C15.1@19.3,37.5 v1(19.3,38.75)
  other v1: 7.45,2.35 22.95,2.35 14.3,4 5.75,4.4 10.25,6.2 18.25,6.2 7.45,6.4 22.95,6.4 44.75,7 51.8,7 75.85,7 82.9,7 7.45,8.95 18.9,9.05 22.95,9.05 38.35,12.7 44.75,12.7 51.8,12.7 58.95,12.7 68.8,12.7 75.85,12.7 82.9,12.7 89.95,12.7 20,15.75 26.05,16.1 38.4,16.1 58.95,17.35 68.8,17.35 89.95,18.05 23.9,19.4 5.55,20.65 33.4,21.05 26.6,21.8 44,21.8 47.15,21.8 49.75,21.8 19.65,23.3 61.85,23.35 69,23.35 76.15,23.35 83.3,23.35 89.95,23.35 35.6,23.7 38.2,23.7 28.6,23.85 8.75,23.95 25.05,24.5 21.35,24.95 58.85,25.55 52.5,26.45 17.65,29.5 58.85,29.55 7.75,30 92.25,30 72,30.1 58.9,33.45 69,33.45 77.2,34.05 80.2,34.05 83.2,34.05 89.25,34.1 92.25,34.1 95.25,34.1 23.05,35.95 26.05,35.95 29.05,35.95 32.05,35.95 8.25,36 61.65,37.7 66.3,37.7 70.15,37.7 43.75,38.5 50.2,40.4 52.1,40.4 8.25,40.5 61.65,40.7 66.3,40.7 70.15,40.7 29.5,41.65 59.1,41.8 18.65,42.6 53.15,43 32,43.1 33.35,43.1 64.2,43.25 11.7,43.3 41.1,43.8 73,45.5 74.5,45.5 8.25,46.3 14.7,46.3 83,47.1 84,47.1 85,47.1 86,47.1 65,47.8 67.5,47.8 70,47.8 32,48.4 33.35,48.4 55.15,48.75 11.7,49.05 41.1,49.5 43.95,49.5 48.2,49.5 52.15,49.5 18.65,49.75 72.3,50.25 75.3,50.25 78.3,50.25 59.7,51.5 60.75,51.5 8.25,51.55 42.95,52.65 53.7,53.1 49.75,53.2 67.5,53.35 30.75,53.5 33.75,53.5 59.25,55.1 23.05,55.6 26.05,55.6 29.05,55.6 32.05,55.6 8.25,56.05 67.5,56.35 73,58.25 74.5,58.25 57.5,58.5 67.5,59.35 83,59.85 84,59.85 85,59.85 86,59.85 60,60.75 27.45,61.75 6.1,62.25 12.45,62.25 17.7,62.25 56.55,62.25 67.5,62.35 72.3,62.35 75.3,62.35 78.3,62.35 81.3,62.35 31.75,63.5 34.95,63.5 37.95,63.5 40.95,63.5 23.75,64.8 18.95,66.2 76.25,66.6 23.75,67 31.75,67.05 33.75,67.05 57.6,67.85 61.75,67.9 9.25,68.5 15.5,68.5 31.75,70.55 12.45,70.6 18.95,70.6 97,71.7 81.276,71.954 59.5,73.25 86.5,73.3 89.5,73.3 92.5,73.3 97,74.7 81.276,74.954 55.5,75 59.5,75.4 41.35,76.5 44.35,76.5 62.55,77.5 97,77.7 81.276,77.954 25.25,78.5 27.85,78.5 30.45,78.5 33.05,78.5 44.35,78.5 6.9,78.9 9.65,78.9 14.85,78.9 17.6,78.9 62.55,80.4 82.9,80.5 85.9,80.5 88.9,80.5
  other v2: 11.9,16.25 10.4,20.85 53.45,29.2 52.75,31 43.85,33.5 53.1,33.55 46.25,33.85 58.75,39 41.9,58.25 44.8,59.4 46.55,59.4 48.3,59.4 50.05,59.4 51.8,59.4 41.9,61.25 44.8,62.15 46.55,62.15 48.3,62.15 50.05,62.15 51.8,62.15 44.8,64.9 46.55,64.9 48.3,64.9 50.05,64.9 51.8,64.9 44.8,67.65 46.55,67.65 48.3,67.65 50.05,67.65 51.8,67.65 44.8,70.4 46.55,70.4 48.3,70.4 50.05,70.4 51.8,70.4 45.95,75.55 47.45,75.55 48.95,75.55 50.45,75.55 45.45,81.4 48.7,81.4 51.95,81.4 55.2,81.4
HDMI5V: CONN2.18 F1.1 R11.1 R12.2 R13.2 R14.2 | length 26.3
  Top Layer w0.3: v1(53.4,77.8) 53.95,77.25 CONN2.18@53.95,73.6
  Top Layer w0.9: R14.2@61.75,74.8 v1(61.75,75.8)
  Bottom Layer w0.5: R12.2@45.95,79.95 R13.2@47.95,79.95 48.65,79.95 49.8,78.8 53.4,78.8 ; F1.1@53.4,80.25 54.85,80.25 56,79.1 56.85,78.25 R11.1@56.85,77.65 59.9,77.65 v1(61.75,75.8)
  Bottom Layer w0.75: v1(53.4,77.8) 53.4,78.8 F1.1@53.4,80.25